# KiCad board plinkyblack_hwmidi_jacks.kicad_pcb (continued)
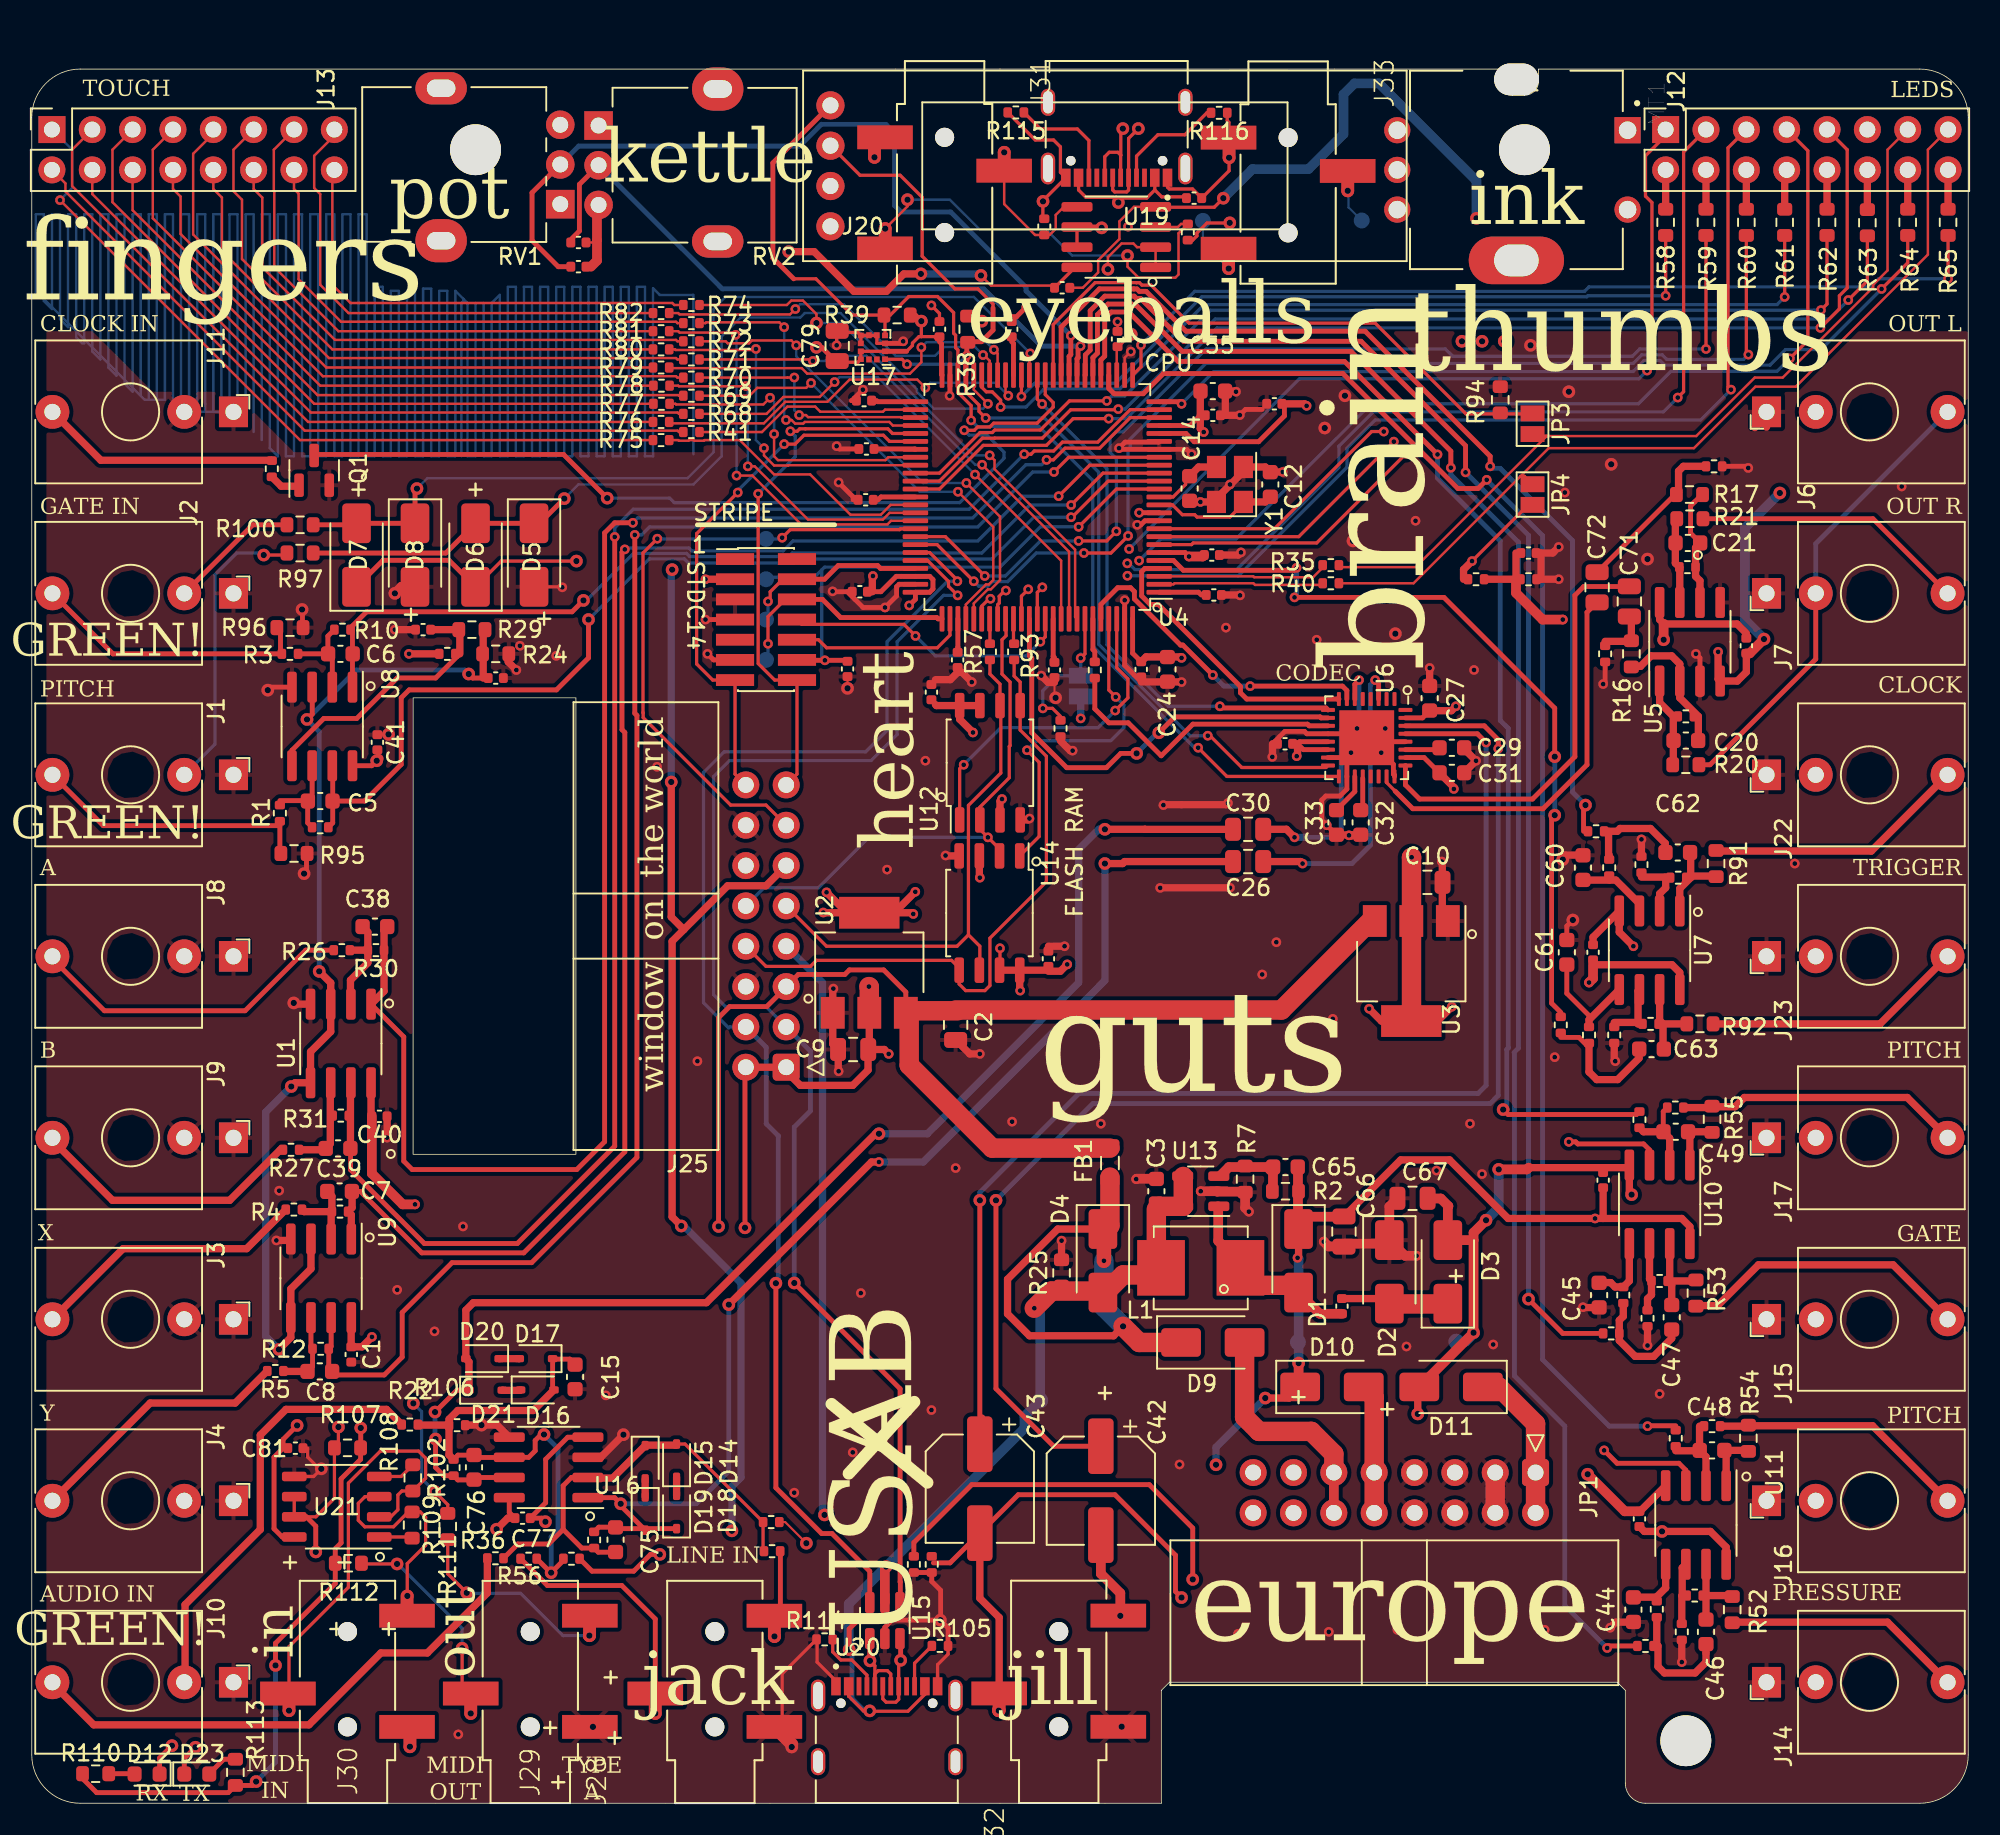
[diagram p0: board, top side]
## Nets (continued)
Net-(U4-PB8): R34.1 U4.95
Net-(U4-PB12): C57.2 U4.51
Net-(U4-PC6): C58.2 U4.63
Net-(U4-PC10): C59.2 U4.78
Net-(U4-PD1): R57.2 U4.82
Net-(U4-PD4): R93.2 U4.85
Net-(U4-PD10): C52.2 U4.57
Net-(U4-PE2): C36.2 U4.1
Net-(U4-PE10): C37.2 U4.41
Net-(U4-PH0): C12.1 U4.12 Y1.1
Net-(U4-PH1): C14.1 U4.13 Y1.3
Net-(U5A--): C20.2 R16.1 R18.2 U5.2
Net-(U5B--): C21.2 R17.1 R19.2 U5.6
Net-(U6-HP_COM): C33.1 U6.19
Net-(U6-LINE_COM): C32.1 U6.20
Net-(U6-VMID): C29.1 U6.27
Net-(U7A-+): C60.2 R85.1 U7.3
Net-(U7A--): R87.2 R90.1 U7.2
Net-(U7B-+): C61.2 R86.1 U7.5
Net-(U7B--): R88.2 R89.1 U7.6
Net-(U8A--): C6.2 R3.1 R10.2 U8.2
Net-(U8B--): C5.2 R1.1 R9.2 U8.6
Net-(U9A--): C7.2 R4.1 R11.2 U9.2
Net-(U9B--): C8.2 R5.1 R12.2 U9.6
Net-(U10A--): C49.2 R49.1 R51.2 U10.2
Net-(U10B-+): C45.2 R46.1 U10.5
Net-(U10B--): R47.1 R67.2 U10.6
Net-(U11A--): C48.2 R48.1 R50.2 U11.2
Net-(U11B-+): C44.2 R42.1 U11.5
Net-(U11B--): R45.1 R66.2 U11.6
Net-(U13-FB): C65.1 R2.2 R7.1 U13.3
Net-(U19-CC1): R116.2 U19.A5
Net-(U19-CC2): R115.1 U19.B5
Net-(U19-SHIELD-PadS1): U19.S1 U19.S2 U19.S3 U19.S4
Net-(U20-CC1): R114.2 U20.A5
Net-(U20-SHIELD-PadS1): U20.S1 U20.S2 U20.S3 U20.S4
Net-(U21-ANODE_1): R109.2 U21.1
Net-(U21-ANODE_2): R108.2 U21.4

Pads without a net: J5 1 2 9; J6 TN; J14 TN; J15 TN; J16 TN; J17 TN; J22 TN; J23 TN; J30 4; JP1 13 14 15 16; MT1 S2; U6 1 2 4 5 21 22 32; U17 11 12; U19 A8 B8; U20 A8 B8

## Via types
v1: diameter 0.61, hole 0.305, Top to Bottom, 282 vias
v2: diameter 0.8, hole 0.4, Top to Bottom, 140 vias

## Routing (per net, layer and track width the routed paths; a pad name or vN(x,y) marks a point on that pad's centre or on a via; arc(x,y) is an arc through that point)
+3V3: length 313.1
  Top w0.152: v2(69.22,92.52) 68.44,91.74 C19.1 68.31,91.69 U4.28
  Top w0.203: 55.08,91.44 55.45,91.81 55.45,91.96 55.86,92.37 56.01,92.37 ; 56.01,92.37 56.83,92.37 57.15,92.05 ; 56.01,92.37 v2(56.01,93.34) ; U17.2 U17.9 U17.10 52.01,90.76 50.67,90.76 ; v1(60.96,53.85) 60.96,52.32 ; v2(34.29,78.23) 29.56,78.23 D5.1
  Top w0.305: 57.15,92.05 57.28,91.92 57.28,89.98 U4.50 ; R110.2 3.2,1.56 4.09,0.67 12.37,0.67 R113.2 13.88,1.12 v2(14.13,1.36) ; C53.1 69.31,72.43 U4.100 ; D7.1 22.12,78.28 26.27,78.28 D5.1 ; U4.6 72.61,78.77 v1(72.86,78.52) 73.41,78.52 73.51,78.61 ; 50.67,90.76 49.74,91.69 v2(49.4,91.69) ; U6.13 79.82,66.86 79.69,66.73 80.06,66.36 U6.14 ; 55.08,91.44 U17.2 ; v2(56.01,93.34) 55.63,93.73 55.27,93.73 ; v2(20.71,23.64) 20.71,22.39 R107.2 20.71,21.66 19.47,20.43 19.47,16.4 19.11,16.03 R112.2 19.11,13.84 15.35,10.08 v2(15.35,8.68) ; 44.9,46.3 v2(44.9,36.24) ; v1(55.24,75.44) 55.63,75.83 U4.75 56.53,76.27 56.74,76.48 56.74,77.07 56.53,77.27 U4.73 54.43,77.27 53.46,76.3 52.92,76.3 ; 58.93,93.62 59.54,93.62 v2(59.82,93.34) ; v1(69.72,81.28) 70.98,81.28 U4.11
  Top w0.457: v1(50.04,57.37) 51.32,56.08 U2.2 ; J5.3 v1(42.42,77.09) ; 52.92,76.3 52.92,77.25 v1(52.96,77.29) ; v1(55.5,56.01) 55.42,56.08 U2.2 ; 47.37,46.23 48.39,45.21 51.69,45.21 52.65,46.17 52.65,47.47 ; 56.9,69.19 56.95,69.13 U12.8 58.42,68.28 v1(59.26,67.44) ; 52.65,47.47 52.73,47.55 U2.2 ; 52.65,47.47 53.67,47.47 v1(53.95,47.19) ; 64.01,52.45 63.99,52.47 U14.8 62.2,51.21 v1(62.23,51.18) ; v1(65.19,52.83) 64.76,52.4 64.01,52.4 ; 44.9,46.3 J25.2 J25.1 ; U12.3 60.96,63.12 v1(61.09,63.25) ; U2.2 49.85,56.08 v1(49.83,56.1) ; U2.2 54.31,56.08 v1(55.63,57.4) ; v1(72.39,72.14) 72.33,72.2 70.16,72.2 C53.1 ; 58.42,69.22 58.5,69.13 U12.7 ; U14.3 59.66,58.32 v1(59.69,58.29) ; v1(79.64,65.94) 79.69,66 79.69,66.73 ; U14.7 62.21,52.47
  Top w0.61: v1(72.86,78.52) 73.72,78.52 73.82,78.61
  Top w1.219: U2.2 52.73,51.41 v1(52.7,51.44)
  In2.Cu w0.203: v1(42.42,77.09) 42.35,77.02 35.5,77.02 v2(34.29,78.23)
  In2.Cu w0.305: v2(20.71,23.64) 20.71,23.7 24.29,27.28 24.29,30.99 26.34,33.04 41.7,33.04 v2(44.9,36.24)
  In2.Cu w0.61: 56.9,81.28 52.96,77.34 v1(52.96,77.29) 52.76,77.09 v1(42.42,77.09) ; 56.9,81.28 56.9,76.45 57.4,75.95 57.4,70.87 60.07,68.2 ; 56.9,81.28 61.29,81.28 63.1,83.08 66.09,83.08 67.01,84 ; v1(72.86,78.52) 72.86,78.92 73.45,79.51 ; J20.3 48.64,100.21 48.64,97.66 52.96,93.34 v2(56.01,93.34) v2(59.82,93.34) 59.94,93.47 65.86,93.47 66.83,92.49 ; 67.01,84 66.68,84.33 66.68,91.34 66.83,91.5 66.83,92.49 ; 67.01,84 67.01,83.57 69.29,81.28 v1(69.72,81.28) 71.68,81.28 73.45,79.51 ; 73.45,79.51 74.14,78.82 74.78,78.82 79.64,73.95 v1(79.64,65.94) ; 60.07,68.2 65.91,68.2 v1(66.04,68.33) ; 60.07,68.2 59.31,67.44 v1(59.26,67.44) 55.63,63.8 v1(55.63,57.4) ; 66.83,92.49 67.73,92.49 67.76,92.52 v2(69.22,92.52)
  Bottom w0.305: v2(14.13,1.36) 15.35,2.58 v2(15.35,8.68)
  Bottom w0.457: v1(66.04,68.33) 66.04,69.6
+5V: length 120.4
  Top w0.305: v2(43.24,36.33) 43.24,49.48 43.94,50.17 46.27,50.17 47.5,51.4 J25.5 48.26,52.2 51.19,52.2 51.48,52.48 53.64,52.48 55.03,51.09 U2.3 ; U21.8 15.77,16.77 15.25,17.29 15.25,21.79 15.82,22.36 15.82,22.91 v2(16.71,23.8)
  Top w1.219: 58.29,49.91 55.16,49.91 U2.3 55.24,49.57 55.24,46.48 60.47,41.26 67.88,41.26 ; 84.58,55.63 84.35,55.63 78.68,49.96 58.17,49.96
  In2.Cu w0.305: v2(43.24,36.33) 43.24,35.41 41.48,33.65 25.9,33.65 23.64,31.39 23.64,29.46 17.98,23.8 v2(16.71,23.8)
+12V: length 301.4
  Top w0.152: v2(59.76,96.22) 60.4,95.58 64.26,95.58 C78.2
  Top w0.203: U18.8 65.68,96.73 C78.2
  Top w0.305: C77.2 30.06,18.32 U16.8
  Top w0.457: U7.8 103.76,52.32 103.27,52.81 98.3,52.81 ; v2(47.66,97.72) 49.26,97.72 51.76,95.22 53.81,95.22 54.9,96.32 v2(55.98,96.32) ; 98.93,38.46 98.93,36.83 ; 98.93,36.83 103.88,36.83 104.39,36.32 U10.8 ; 98.93,36.83 v1(98.43,36.83) 92.95,36.83 89.26,40.52 86.19,40.52 82.62,36.94 ; 107.95,73.69 107.36,74.27 102.77,74.27 102.49,74.55 U5.8 ; D10.1 79.16,25.52 v2(77.66,25.52) ; J25.11 46.23,57.78 43.81,57.78 41.05,55.03 ; U11.8 106.68,16.13 105.69,17.12 101.53,17.12 C50.2 ; 41.05,55.03 40.26,55.82 v2(40.26,64.32) ; 41.05,55.03 40.32,54.29 40.32,36.93 v2(40.89,36.36) ; 79.69,36.13 79.76,36.07 79.76,34.42 v1(79.69,34.35) ; v2(29.27,17.26) 29.96,17.96 C77.2
  Top w0.61: v2(102.74,73.28) 102.74,74.24 102.77,74.27 ; 79.72,40.07 79.72,36.16 79.69,36.13 80.51,36.94 82.62,36.94 ; 98.3,52.81 98.3,51.94 v1(98.04,51.69) ; v2(79.76,27.72) 79.76,26.32 D10.1
  In2.Cu w0.457: v2(47.66,97.72) 47.56,97.72 42.96,93.12 42.96,83.92 40.32,81.28 v2(40.32,77.69) ; v2(29.27,17.26) 29.76,16.76 43.69,16.76 v2(44.08,17.16) 44.23,17.31 49.27,17.31 49.46,17.12 70.26,17.12 74.46,21.32 v2(74.56,21.32)
  In2.Cu w0.61: v2(102.74,73.28) 102.74,71.5 98.68,67.44 98.68,52.32 v1(98.04,51.69) 98.04,37.21 v1(98.43,36.83) 100.82,34.44 100.82,18.94 v2(102.64,17.12)
  Bottom w0.457: v2(40.89,36.36) 41.05,36.36 44.66,32.75 44.66,20.53 44.08,19.95 v2(44.08,17.16) ; v2(74.56,21.32) 74.56,22.42 v2(77.66,25.52) ; v2(55.98,96.32) 59.66,96.32 v2(59.76,96.22) ; v2(40.26,64.32) 40.26,77.63 v2(40.32,77.69)
  Bottom w0.61: v2(79.76,27.72) 79.76,34.29 v1(79.69,34.35)
-12V: length 283.4
  Top w0.13: C50.1 101.22,18.39
  Top w0.152: C78.1 66.17,95.45 67.14,96.41 67.14,97.18 68.48,98.52 68.48,99.63 69.39,100.54 U18.4
  Top w0.203: 70.79,100.51 74.45,100.51 v2(75.02,101.09)
  Top w0.305: U16.4 35.01,23.05 33.74,23.05 32.35,21.66 32.35,18.93 C77.1 32.11,17.96 v2(32.34,17.73)
  Top w0.457: 101.22,18.39 101.26,18.39 U11.4 ; 94.24,40.03 100.42,40.03 U10.4 100.58,38.47 v2(100.73,38.33) ; v1(106.17,72.52) 106.17,70.8 U5.4 107.38,70.68 107.95,71.25 107.95,72.11 ; v2(87.26,24.52) 87.26,26.12 D11.2 ; 98.3,54.38 98.3,54.55 U7.4 99.95,54.86 v1(100.84,53.98)
  Top w0.61: 90.78,35.47 v2(90.78,29.64) D11.2 ; 90.78,35.47 90.78,35.94 v2(91.56,36.72) ; 90.78,35.47 D3.2 89.16,37.57 89.19,37.61 88.71,38.09 87.88,38.09 87.87,38.1 ; C51.1 108.16,72.42 v2(109.06,73.32) ; C50.1 100.29,18.39 v2(97.96,20.72) ; v2(92.36,39.92) 94.13,39.92 94.24,40.03
  In2.Cu w0.457: v2(32.34,17.73) 42.55,17.73 43,18.18 43.02,18.16 v2(49.91,18.16) 54.36,22.61 85.35,22.61 ; 85.35,22.61 87.26,22.61 v2(87.26,24.52) ; 85.35,22.61 95.36,22.61 97.25,20.72 v2(97.96,20.72)
  In2.Cu w0.61: v2(110.06,82.52) 110.26,82.72 110.26,82.97 104.83,88.4 104.82,88.4 97.06,96.16 97.06,98.22 95.96,99.32 91.46,99.32 v2(90.96,99.82) ; v2(100.73,38.33) 100.84,38.44 v1(100.84,53.98) 100.53,54.28 100.53,66.88 v1(106.17,72.52)
  Bottom w0.457: v2(49.91,18.16) 49.78,18.29 49.78,51.69 J25.7
  Bottom w0.61: T_12V-.1 90.29,29.07 90.78,29.56 v2(90.78,29.64) ; v2(90.96,99.82) 90.96,102.18 84.82,108.32 83.28,108.32 82.59,107.63 82.59,105.13 80.38,102.92 76.85,102.92 v2(75.02,101.09) ; v2(91.56,36.72) 92.36,37.52 v2(92.36,39.92) ; v2(109.06,73.32) 107.86,74.52 107.86,80.32 v2(110.06,82.52)
GND: length 1174.7
  Top w0.13: C11.2 v2(51.36,70.22) ; v2(22.46,67.32) 22.44,67.3 C41.1 ; C56.1 64.39,69.69 v2(64.46,69.62) ; J31.4 53.06,104.26
  Top w0.152: C19.2 v1(68.36,93.31) ; v1(69.19,91.43) 68.81,91.04 U4.27 ; 35.2,98.3 35.43,98.3 35.59,98.45
  Top w0.203: J28.4 47.25,5.3 47.25,8.16 R114.1 49.44,10.29 49.44,8.89 50.63,7.7 U20.A1_B12 ; R116.1 75.27,105.97 75.37,105.86 75.37,104.95 ; R103.2 73.09,98.45 73.36,98.71 73.36,98.9 73.99,99.53 75.41,99.53 v2(75.42,99.54) ; R104.2 63.66,99.88 63.66,100.93 U19.B1_A12 64.76,102.72 64.76,104.32 64.33,104.75 63.18,104.75 R115.2 ; R105.2 57.69,9.39 57.03,8.73 U20.B1_A12 ; U21.5 17.75,20.58 v2(18.23,21.06) 18.11,21.06 17.37,21.8 17.37,22.36 ; U17.7 52.01,92.63 50.67,92.63 v1(50.67,91.82) ; U17.7 53.2,92.44 U17.5 53.21,91.95 53.22,91.94 U17.3 ; U17.7 U17.8 ; 57.15,93.62 57.15,93.83 v1(56.64,94.34) ; v2(75.38,103.64) 75.38,102.81 C74.1 73.08,101.67 71.62,101.67 71.51,101.78 U19.A1_B12 ; 75.38,104.87 J33.4 ; D6.2 33.37,76.61 v1(33.4,76.58) ; v2(47.85,3.54) 47.85,3.72
  Top w0.305: 106.71,84.2 107.97,84.2 v1(108.07,84.1) ; v1(76.06,87.43) 76.42,87.78 77.47,87.78 ; U6.33 84.3,66.86 U6.28 ; U6.33 83.8,67.36 U6.12 80.28,67.36 80.13,67.51 78.9,67.51 78.12,66.73 ; U6.33 85.73,65.43 85.73,64.81 85.8,64.74 U6.24 ; U6.33 82.8,65.86 ; 72.9,82.02 73.52,82.02 v1(73.58,81.96) ; J5.7 v1(42.42,74.55) ; U15.2 53.71,11.08 54.16,11.53 v2(57.21,11.53) ; v1(69.6,80.52) 69.83,80.52 70.08,80.77 U4.10 ; v1(98.93,70.48) 99.06,70.61 99.06,71.6 ; 82.8,65.86 U6.18 82.8,63.88 82.36,63.44 81.47,63.44 81.22,63.18 81.22,61.91 v1(81.53,61.59) 82.14,60.99 ; 82.8,65.86 U6.15 ; 51.71,82.09 51.71,82.27 v1(50.8,83.19) ; U4.74 54.61,76.77 54.45,76.61 54.45,76.04 v1(53.72,75.31) 52.34,75.31 51.35,76.3 50.44,76.3 v1(50.42,76.33) ; 96.55,59.72 96.55,59.59 v2(96.39,59.44) ; v2(14.86,70.1) 15.05,70.29 16.38,70.29 ; U17.3 54.73,91.94 v1(54.86,92.08) ; R105.2 57.69,11.05 v2(57.21,11.53) ; 17.3,59.82 17.3,58.7 v2(17.14,58.55) ; v1(73.03,84.96) 72.72,85.27 U4.19 68.53,85.27 v1(68.45,85.34) 68.83,85.72 70.94,85.72 U4.20 ; v2(57.21,11.53) 57.22,11.55 57.22,13.41 56.66,13.97 R32.2 R33.2 ; 69.85,70.62 68.81,71.67 U4.99 68.81,75.76 v1(68.81,75.77) ; v1(104.78,72.39) 105.03,72.14 U5.3 ; v2(17.02,75.18) 17.04,75.16 17.04,74.04 ; 51.77,85.29 50.85,85.29 v1(50.67,85.47) ; v2(97.03,55.63) 96.65,55.25 96.65,54.38 ; 61.7,93.62 62,93.62 v1(62.61,94.23) ; v1(57.79,88.65) 57.81,88.67 U4.49 ; v1(42.54,72.39) 42.93,72.01 J5.11 ; 51.61,88.34 51.64,88.34 v1(52.32,89.03)
  Top w0.457: v1(73.58,81.96) Y1.4 74.59,82.17 76.29,83.87 Y1.2 77.67,84.16 77.98,83.85 v1(78.77,83.85) ; 64.01,53.98 v1(65.02,53.98) ; v1(50.8,46.1) 50.78,46.12 50.78,47.47 50.43,47.82 U2.1 50.43,51.27 v1(50.47,51.31) ; v1(75.82,88.9) 75.78,88.94 75.15,88.94 75.15,87.41 76.05,87.41 v1(76.06,87.43) ; v1(75.31,62.99) 75.21,62.89 71.27,62.89 v1(71.25,62.87) ; 105.03,69.88 U5.3 ; 69.85,70.62 72.38,70.62 v1(72.39,70.61) ; v2(16.5,50.4) 16.57,50.33 U1.4 ; v1(22.37,41.92) C40.1 ; 64.39,70.59 63.99,70.59 v1(63.56,71.02) ; 23.85,73.91 v1(22.86,73.91) ; v1(78.11,65.9) 78.12,65.91 78.12,66.73 ; 82.14,60.99 83.02,60.99 83.09,60.92 83.09,60.98 83.09,60.99 83.67,60.99 ; v1(88.01,71.5) 88.01,70.38 88.04,70.41 ; v1(99.38,11.05) 99.73,11.4 100.84,11.4 ; 98.68,31.22 97.69,31.22 v1(97.66,31.24) ; v1(99.7,46.74) 99.63,46.8 99.63,47.6 ; 108.48,86.64 109.22,87.38 109.22,86.68 ; 75.08,78.61 75.96,78.61 v1(76.13,78.78) ; v2(37.25,23.21) 35.82,21.79 U16.3 ; v1(59.69,47.19) 59.06,47.19 58.17,48.08 ; 75.21,76.1 76.05,76.1 v1(76.07,76.07) ; v1(15.4,35.45) 16.22,35.45 U9.4 ; 56.9,70.76 57.84,70.76 58.29,71.22 58.57,71.22 v1(59.18,70.61) 59.16,70.59 ; 64.84,34.19 v1(64.84,35.43) ; 101.35,59.91 v1(101.35,60.71) ; v1(57.53,59.69) 57.55,59.67 U14.4 ; R67.1 v1(101.73,28.83) ; R106.1 27.3,23.81 v2(28.31,23.81) 29.3,23.81 U16.5 ; 90.2,64.9 90.2,64.92 v1(90.93,65.65) 90.2,66.39 90.2,66.47 ; v1(71.04,57.65) 71.05,57.66 v1(75.44,57.66) ; 97.66,59.72 96.55,59.72 96.52,59.69 ; 30,72.39 30,71.88 v1(30.51,71.37) ; v1(96.14,79.12) 95.76,78.74 95.02,78.74 95.02,77.09 v1(96.14,77.09) ; v1(88.77,59.31) 88.81,59.27 88.81,55.91 U3.1 ; v1(65.53,66.29) 65.38,66.29 64.77,66.9 ; 58.32,59.79 58.42,59.69 ; 103.89,10.01 v1(103.89,8.89) ; v1(62.81,62.02) 62.73,61.93 U12.4
  Top w0.61: v1(76.63,37.26) 76.39,37.5 76.39,38.55 ; 82.62,35.07 81.65,35.07 v1(81.34,35.37) ; D2.1 85.47,37.58 86,38.1 ; D2.1 85.25,35.24 82.62,35.24 ; D2.1 86.46,34.48 v1(87.19,34.48) ; 35.2,96.77 35.59,97.16 35.59,100.56 RV2.3 ; v2(22.86,76.2) 23.27,76.61 D8.2 ; 74.7,38.55 v1(73.6,38.55) ; 74.61,38.55 74.64,38.52 76.39,38.52 ; v1(69.53,39.31) 69.56,39.33 70.8,39.33
  Top w0.813: 53.06,104.26 v2(53.06,103.66) ; v2(75.38,103.64) 75.38,104.87 ; 47.85,3.72 J28.4
  Top w1.219: JP1.4 JP1.3
  In1.Cu w0.305: v1(69.6,80.52) 68.71,81.41 68.33,81.41
  Bottom w0.152: J11.TN 10.92,87.63 ; 10.92,87.63 10.92,100.08 10.41,100.08 10.41,88.27 ; 10.92,87.63 J11.S ; 27.18,94.74 27.43,94.49 27.43,84.84 27.94,84.84 27.94,94.49 28.45,94.49 28.45,84.84 28.96,84.84 28.96,94.49 29.46,95 29.46,84.84 29.97,84.84 29.97,95.5 30.48,95.5 30.48,84.84 30.99,84.84 30.99,95.5 31.5,95.5 31.5,84.84 32,84.84 32,95.5 32.51,95.5 32.51,84.84 33.02,84.84 33.02,95.5 33.53,95.5 33.53,84.84 34.04,84.84 34.04,95.5 34.54,95.5 34.54,84.84 35.05,84.84 35.05,95.5 35.56,95.5 35.56,84.84 36.07,84.84 36.07,95.5 36.58,95.5 36.58,84.84 37.08,84.84 37.08,95.5 37.59,95.5 37.59,84.84 38.1,84.84 38.1,95.5 38.61,95.5 38.61,84.84 39.12,84.84 39.12,95.41 39.53,95 41.66,95 41.66,84.96 ; 27.18,94.74 27.18,94.62 27.05,94.49 27.05,84.84 ; 27.18,94.74 26.67,95.25 26.67,84.84 26.16,84.84 26.16,95.25 25.65,95.25 25.65,84.84 25.15,84.84 25.15,95.39 24.64,95.39 24.64,84.84 24.13,84.84 24.13,95.25 23.62,94.74 23.62,84.84 23.11,84.84 23.11,95.25 22.61,95.25 22.61,84.84 22.1,84.84 22.1,95.5 21.59,95.5 21.59,84.84 21.08,84.84 21.08,100.08 20.57,100.08 20.57,84.84 20.07,84.84 20.07,100.08 19.56,100.08 19.56,84.84 19.05,84.84 19.05,100.08 18.54,100.08 18.54,84.84 18.03,84.84 18.03,100.08 17.53,100.08 17.53,84.84 17.02,84.84 17.02,100.08 16.51,100.08 16.51,84.84 16,84.84 16,100.08 15.49,100.08 15.49,84.84 14.99,85.34 14.99,100.08 14.48,100.08 14.48,85.85 ; 8.89,88.14 8.89,100.08 8.38,100.08 8.38,88.39 7.11,88.39 0.51,95 0.25,95 0.25,100.08 0.76,100.08 0.76,94.62 1.27,94.11 1.27,100.08 1.78,100.08 1.78,93.47 2.29,92.96 2.29,100.08 2.79,100.08 2.79,92.33 3.17,91.95 3.3,91.95 3.3,100.08 3.81,100.08 3.81,91.44 4.32,90.93 4.32,100.08 4.83,100.08 4.83,90.42 5.33,89.92 5.33,100.08 5.84,100.08 5.84,89.41 6.35,88.9 6.35,100.08 6.86,100.08 6.86,88.65 ; 13.46,86.87 13.46,100.08 13.97,100.08 13.97,86.36 ; 12.95,87.38 12.95,100.08 12.45,100.08 12.45,87.88 J11.S ; 8.89,53.85 9.4,53.85 ; 10.16,53.72 10.41,53.98 ; 7.37,88.39 7.37,100.08 7.87,100.08 7.87,88.39 ; J11.S 11.94,88.39 11.94,100.08 11.43,100.08 11.43,87.63 ; 9.4,88.14 9.4,100.08 9.91,100.08 9.91,88.27
  Bottom w1.219: JP1.3 JP1.4
  vias: v1(15.58,38.58) v1(23.01,32.34) v1(25.36,29.72) v1(26.85,4.34) v1(27.15,36.33) v1(30.73,72.9) v1(33.02,72.26) v1(36.14,25.69) v1(39.37,65.28) v1(41.91,46.74) v1(48.01,19.56) v1(51.69,22.1) v1(52.2,32.13) v1(53.85,58.8) v1(56.26,65.66) v1(56.64,24.77) v1(58.17,40.01) v1(61.72,42.93) v1(67.31,42.8) v1(72.26,21.34) v1(75.18,74.04) v1(75.44,83.06) v1(75.95,10.67) v1(77.47,52.2) v1(78.36,54.23) v1(80.9,73.28) v1(81.66,10.8) v1(81.92,49.4) v1(82.93,60.96) v1(83.06,66.17) v1(83.44,67.69) v1(84.96,66.17) v1(85.22,67.69) v1(85.98,10.92) v1(86.55,28.77) v1(87.12,80.77) v1(88.44,39.85) v1(90.55,42.8) v1(90.68,11.05) v1(90.81,71.37) v1(91.31,39.63) v1(92.01,28.89) v1(95.25,10.92) v1(95.89,46.99) v1(96.52,82.55) v1(102.49,25.78) v1(111,59.18) v1(117.73,82.93) v2(35.33,4.81) v2(63.67,100.89) v2(68.62,4.82) v2(81.41,86.61) v2(82.68,88.65) v2(83.19,79.5) v2(85.85,73.66) v2(94.36,91.82) v2(96.77,88.9) v2(99.44,84.33) v2(101.73,78.36)
VBUS: length 249
  Top w0.203: 70.71,101.6 U19.A4_B9 ; 70.71,101.6 70.2,101.1 68.69,101.1 v2(68.41,100.81) 68.09,101.14 66.37,101.14 65.91,101.6 U19.B4_A9 ; 70.71,101.6 71.14,101.17 72.62,101.17 C74.2 ; U20.B4_A9 56.23,6.86 55.16,5.79 52.78,5.79 v2(52.76,5.82) 52.36,5.82 51.45,6.74 51.43,6.74 U20.A4_B9 ; 64.84,32.61 64.42,32.61
  Top w0.305: U15.5 53.71,11.77 53.45,11.51 52,11.51 51.46,10.98 v2(51.46,9.68)
  Top w0.61: U15.5 53.71,14.83 v2(53.79,14.91) ; 70.99,37.59 70.8,37.41
  Top w1.219: v1(63.12,31.18) 64.2,32.26 67.38,32.26 ; 72.5,39.48 72.5,37.59 70.99,37.59 ; 67.5,32.07 68.71,33.27 70.93,33.27 71.1,33.44 L1.1 ; 70.8,37.41 70.8,33.97
  In2.Cu w0.61: v2(68.41,100.81) 68.99,100.81 75.9,93.9 95.6,93.9 110.79,78.72 112.9,78.72 115.28,76.35 115.28,18.14 112.2,15.06 53.94,15.06 v2(53.79,14.91)
  Bottom w0.305: v2(51.46,9.68) 51.64,9.5 51.64,6.6 52.42,5.82 v2(52.76,5.82)
  Bottom w0.61: v2(51.46,9.68) 51.43,9.71 51.43,12.55 62.49,23.61 62.49,24.37 T_VBUS1.1 63.49,30.8 v1(63.12,31.18)
